# Altium PCB 5600BB3T Dev.Board.PcbDoc (part 1 of 2) (continued)
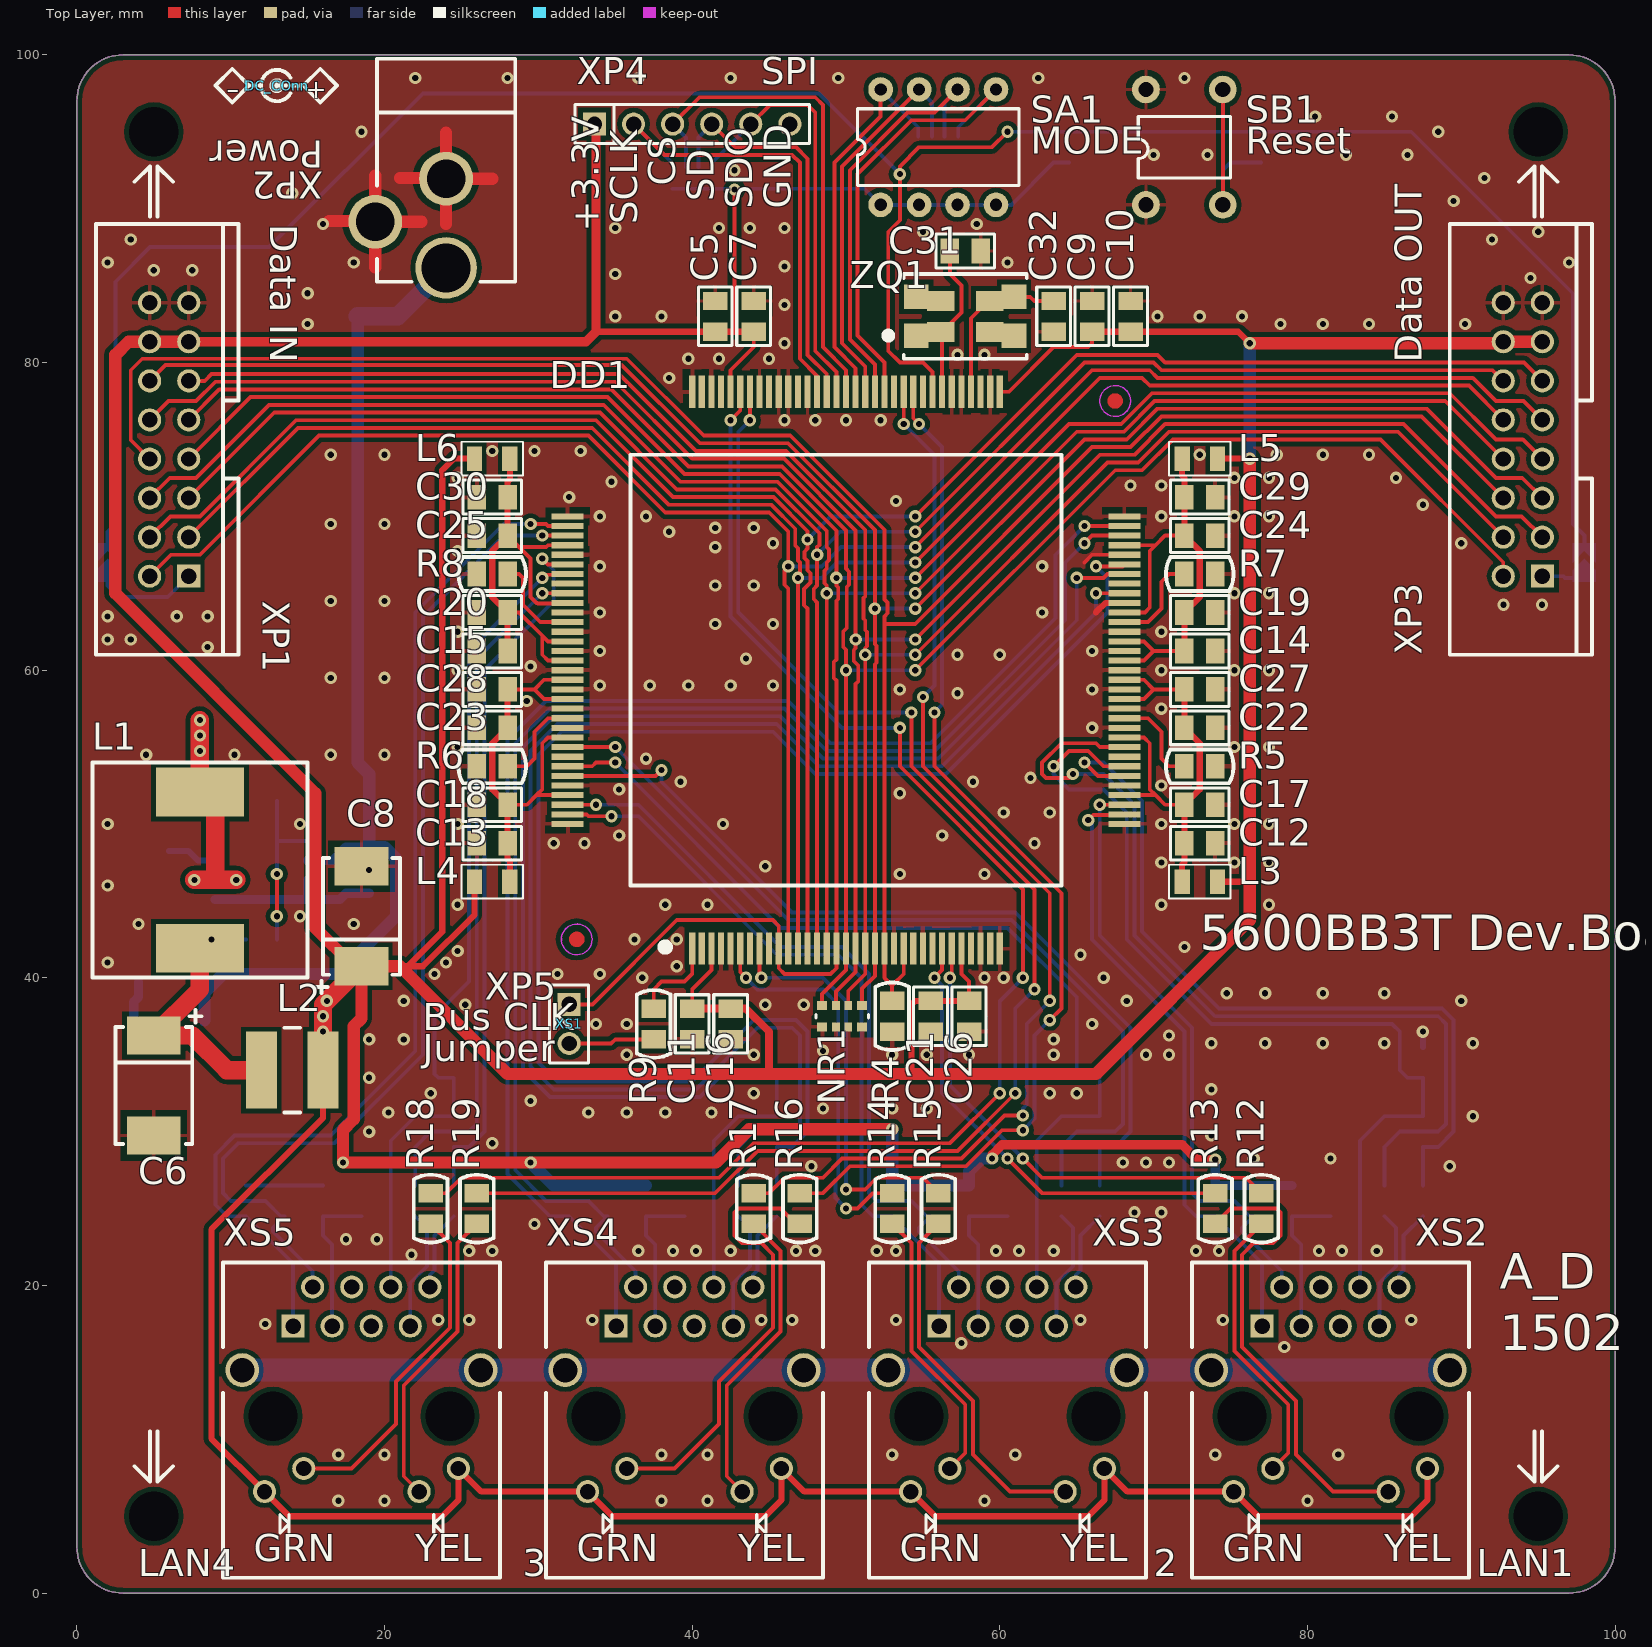
[diagram p0: Top Layer view]
## Components (designator, comment, footprint, x,y, rotation, side; value= is the part's Value field where it differs from the comment) (continued)
R8 "Resistor" R0805 27,66.25 r0 top value=12.4k
R9 "Resistor" R0805 37.5,37 r270 top value=10
R10 "Resistor" R0805 77,94 r90 bottom value=100
R11 "Resistor" R0805 64.5,94 r270 bottom value=47k
R12 "Resistor" R0805 77,25 r270 top value=470
R13 "Resistor" R0805 74,25 r270 top value=470
R14 "Resistor" R0805 53,25 r270 top value=470
R15 "Resistor" R0805 56,25 r270 top value=470
R16 "Resistor" R0805 47,25 r270 top value=470
R17 "Resistor" R0805 44,25 r270 top value=470
R18 "Resistor" R0805 23,25 r270 top value=470
R19 "Resistor" R0805 26,25 r270 top value=470
R20 "Resistor" R0805 85,30 r90 bottom value=82
R21 "Resistor" R0805 64,30 r90 bottom value=82
R22 "Resistor" R0805 43,30 r90 bottom value=82
R23 "Resistor" R0805 22,30 r90 bottom value=82
R24 "Resistor" R0805 87.5,30 r90 bottom value=82
R25 "Resistor" R0805 66.5,30 r90 bottom value=82
R26 "Resistor" R0805 45.5,30 r90 bottom value=82
R27 "Resistor" R0805 24.5,30 r90 bottom value=82
R28 "Resistor" R0805 74,25.5 r90 bottom value=49.9
R29 "Resistor" R0805 53,25.5 r90 bottom value=49.9
R30 "Resistor" R0805 32,25.5 r90 bottom value=49.9
R31 "Resistor" R0805 11,25.5 r90 bottom value=49.9
R32 "Resistor" R0805 76.5,25.5 r90 bottom value=49.9
R33 "Resistor" R0805 55.5,25.5 r90 bottom value=49.9
R34 "Resistor" R0805 34.5,25.5 r90 bottom value=49.9
R35 "Resistor" R0805 13.5,25.5 r90 bottom value=49.9
R36 "Resistor" R0805 79,25.5 r90 bottom value=10
R37 "Resistor" R0805 58,25.5 r90 bottom value=10
R38 "Resistor" R0805 37,25.5 r90 bottom value=10
R39 "Resistor" R0805 16,25.5 r90 bottom value=10
SA1 "MODE" ВДМЗ-4 56,94 r0 top value=ВДМЗ-4
SB1 "Reset" ВКн1 72,94 r0 top value=ВКн1
VD1 "Schottky" DO-214AA 10.25,55.75 r180 bottom value=SS26
XP1 "Data IN" IDC-16MS 6,75 r90 top value=СНП347-16ВП22-В
XP2 "Power" DJK-02-SERIES 23,92 r0 top value=DJK-02A
XP3 "Data OUT" IDC-16MS 94,75 r90 top value=СНП347-16ВП22-В
XP4 "SPI" PLS-6 40,95.5 r0 top value=СНП346-6ВП22-1-В
XP5 "Bus CLK" PLS-2 32,37 r270 top value=СНП346-2ВП22-1-В
XS1 "Jumper" MJ-O-Series 32,37 r270 top value=MJ-O-8
XS2 "LAN1" SK02-111006NL 81.5,11 r0 top value=SK02-111006NL
XS3 "2" SK02-111006NL 60.5,11 r0 top value=SK02-111006NL
XS4 "3" SK02-111006NL 39.5,11 r0 top value=SK02-111006NL
XS5 "LAN4" SK02-111006NL 18.5,11 r0 top value=SK02-111006NL
ZQ1 "Crystal" "SMD 7x5mm" 57.75,83 r0 top value=РК457-8ВП-25000К

## Footprints (in the part's own frame and the unit in brackets; to place one, negate y for a bottom-side part, rotate by r counter-clockwise, add the part's x,y. Pads: shape width x height; smd on the part's side, far side on the other; paste and mask are expansions set on the pad)
4229.132-3 [mm]
  rect 0.4x2.1 smd: 1(-10,-18.1) 2(-9.375,-18.1) 3(-8.75,-18.1) 4(-8.125,-18.1) 5(-7.5,-18.1) 6(-6.875,-18.1) 7(-6.25,-18.1) 8(-5.625,-18.1) 9(-5,-18.1) 10(-4.375,-18.1) 11(-3.75,-18.1) 12(-3.125,-18.1) 13(-2.5,-18.1) 14(-1.875,-18.1) 15(-1.25,-18.1) 16(-0.625,-18.1) 17(0,-18.1) 18(0.625,-18.1) 19(1.25,-18.1) 20(1.875,-18.1) 21(2.5,-18.1) 22(3.125,-18.1) 23(3.75,-18.1) 24(4.375,-18.1) 25(5,-18.1) 26(5.625,-18.1) 27(6.25,-18.1) 28(6.875,-18.1) 29(7.5,-18.1) 30(8.125,-18.1) 31(8.75,-18.1) 32(9.375,-18.1) 33(10,-18.1) 67(10,18.1) 68(9.375,18.1) 69(8.75,18.1) 70(8.125,18.1) 71(7.5,18.1) 72(6.875,18.1) 73(6.25,18.1) 74(5.625,18.1) 75(5,18.1) 76(4.375,18.1) 77(3.75,18.1) 78(3.125,18.1) 79(2.5,18.1) 80(1.875,18.1) 81(1.25,18.1) 82(0.625,18.1) 83(0,18.1) 84(-0.625,18.1) 85(-1.25,18.1) 86(-1.875,18.1) 87(-2.5,18.1) 88(-3.125,18.1) 89(-3.75,18.1) 90(-4.375,18.1) 91(-5,18.1) 92(-5.625,18.1) 93(-6.25,18.1) 94(-6.875,18.1) 95(-7.5,18.1) 96(-8.125,18.1) 97(-8.75,18.1) 98(-9.375,18.1) 99(-10,18.1)
  rect 2.1x0.4 smd: 34(18.1,-10) 35(18.1,-9.375) 36(18.1,-8.75) 37(18.1,-8.125) 38(18.1,-7.5) 39(18.1,-6.875) 40(18.1,-6.25) 41(18.1,-5.625) 42(18.1,-5) 43(18.1,-4.375) 44(18.1,-3.75) 45(18.1,-3.125) 46(18.1,-2.5) 47(18.1,-1.875) 48(18.1,-1.25) 49(18.1,-0.625) 50(18.1,0) 51(18.1,0.625) 52(18.1,1.25) 53(18.1,1.875) 54(18.1,2.5) 55(18.1,3.125) 56(18.1,3.75) 57(18.1,4.375) 58(18.1,5) 59(18.1,5.625) 60(18.1,6.25) 61(18.1,6.875) 62(18.1,7.5) 63(18.1,8.125) 64(18.1,8.75) 65(18.1,9.375) 66(18.1,10) 100(-18.1,10) 101(-18.1,9.375) 102(-18.1,8.75) 103(-18.1,8.125) 104(-18.1,7.5) 105(-18.1,6.875) 106(-18.1,6.25) 107(-18.1,5.625) 108(-18.1,5) 109(-18.1,4.375) 110(-18.1,3.75) 111(-18.1,3.125) 112(-18.1,2.5) 113(-18.1,1.875) 114(-18.1,1.25) 115(-18.1,0.625) 116(-18.1,0) 117(-18.1,-0.625) 118(-18.1,-1.25) 119(-18.1,-1.875) 120(-18.1,-2.5) 121(-18.1,-3.125) 122(-18.1,-3.75) 123(-18.1,-4.375) 124(-18.1,-5) 125(-18.1,-5.625) 126(-18.1,-6.25) 127(-18.1,-6.875) 128(-18.1,-7.5) 129(-18.1,-8.125) 130(-18.1,-8.75) 131(-18.1,-9.375) 132(-18.1,-10)
  Top Layer circle w0.5: c17.5,17.5 r0.25
  Top Layer circle w0.5: c-17.5,-17.5 r0.25
  silkscreen extent -14,-18.25 14,14, body extent -14,-14 14,14, height 1.9
C0805 [mm] "2012M"
  rect 1.2x1.6 smd: 1(-1,0) 2(1,0)
  silkscreen extent -1.9,-1.1 1.9,1.1, body extent -1,-0.62 1,0.63, height 1.01
C7343-P [mm] "Type D"
  rect 2.5x3.5 smd: 1(-3.25,0) 2(3.25,0)
  silkscreen extent -5,-2.5 3.8,3, body extent -3.65,-2.15 3.65,2.15, height 3.1
C7343H-P [mm] "Type E"
  rect 2.5x3.5 smd: 1(-3.25,0) 2(3.25,0)
  silkscreen extent -4.9,-2.5 3.8,3.1, body extent -3.65,-2.15 3.65,2.15, height 3.1
CAY16-x4 [mm]
  rect 0.65x0.6 smd: 1(-1.3,-0.7) 4(1.3,-0.7) 5(1.3,0.7) 8(-1.3,0.7)
  rect 0.5x0.6 smd: 2(-0.4,-0.7) 3(0.4,-0.7) 6(0.4,0.7) 7(-0.4,0.7)
  silkscreen extent -1.7,-0.1 1.7,0.1, body extent -1.6,-0.8 1.6,0.8, height 0.5
CDRH127 [mm]
  rect 5.715x3.175 smd: 1(0,5.08) 2(0,-5.08)
  silkscreen extent -6.98,-6.98 6.98,6.98, body extent -6,-6.17 6,6.17, height 6.23
DJK-02-SERIES [mm]
  round 4 hole 3.2: 1(1,-5.85)
  round 3.5 hole 2.5: 2(1,-0.05) 3(-3.6,-2.85)
  silkscreen extent -3.5,-6.75 5.5,7.75, body extent -3.95,-6.75 5.5,7.75, height 11.5
DO-214AA [mm] "(SMB) Low profile package"
  rect 2.2x2.8 smd: 1(-2.25,0) 2(2.25,0)
  silkscreen extent -3.75,-2 3.75,2, body extent -2.7,-1.8 2.7,1.8, height 2.3
IDC-16MS [mm]
  rect 1.5x1.5 hole 1: 1(-8.89,-1.27)
  round 1.5 hole 1: 2(-8.89,1.27) 3(-6.35,-1.27) 4(-6.35,1.27) 5(-3.81,-1.27) 6(-3.81,1.27) 7(-1.27,-1.27) 8(-1.27,1.27) 9(1.27,-1.27) 10(1.27,1.27) 11(3.81,-1.27) 12(3.81,1.27) 13(6.35,-1.27) 14(6.35,1.27) 15(8.89,-1.27) 16(8.89,1.27)
  silkscreen extent -14,-4.5 14,4.75, body extent -14,-4.2 13.92,4.2, height 9.4
JS-S-2x [mm] "Solder Jumper with square areas"
  round 0.25 smd: 1(-1,0) 2(1,0)
  Top Layer region: -1.25,-0.75 -1.25,0.75 -0.5,0.75 0.25,0 -0.5,-0.75
  Top Layer region: 0,-0.75 0.75,0 0,0.75 1.25,0.75 1.25,-0.75
  silkscreen extent -1.5,-0.5 1.5,0.5
L0805 [mm]
  rect 1x1.6 smd: 1(-1.15,0) 2(1.15,0)
  silkscreen extent -2,-1.1 2,1.1, body extent -0.97,-0.65 1.03,0.65, height 1.2
LG-DC-Connector [mm] "Size 8x4,5mm"
  silkscreen extent -3.92,-1.1 4,1.1
MJ-O-Series [mm]
  body extent -2.54,-1.27 2.54,1.27, height 9.45
PLS-2 [mm]
  rect 1.5x1.5 hole 1: 1(-1.27,0)
  round 1.5 hole 1: 2(1.27,0)
  silkscreen extent -2.54,-1.27 2.54,1.27, body extent -2.54,-1.27 2.54,1.27, height 8.9
PLS-6 [mm]
  rect 1.5x1.5 hole 1: 1(-6.35,0)
  round 1.5 hole 1: 2(-3.81,0) 3(-1.27,0) 4(1.27,0) 5(3.81,0) 6(6.35,0)
  silkscreen extent -7.62,-1.27 7.62,1.27, body extent -7.62,-1.27 7.62,1.27, height 8.9
R0805 [mm] "2012M"
  rect 1.2x1.6 smd: 1(-1,0) 2(1,0)
  silkscreen extent -2.2,-1.1 2.2,1.1, body extent -1,-0.62 1,0.63, height 0.78
R1206 [mm] "3216M"
  rect 1.4x1.8 smd: 1(-1.5,0) 2(1.5,0)
  silkscreen extent -2.8,-1.2 2.8,1.2, body extent -1.6,-0.8 1.6,0.8, height 1
SDR0604-Series [mm]
  rect 2x5 smd: 1(-2,0) 2(2,0)
  silkscreen extent -0.5,-2.75 0.5,2.75, body extent -2.75,-2.8 2.75,2.8, height 4.65
SK02-111006NL [mm] "RJ45"
  round 0 hole 3.2 unplated: 0(-5.75,0.5) 0(5.75,0.5)
  rect 1.5x1.5 hole 1: 1(-4.445,6.36)
  round 1.5 hole 1: 2(-3.175,8.9) 3(-1.905,6.36) 4(-0.635,8.9) 5(0.635,6.36) 6(1.905,8.9) 7(3.175,6.36) 8(4.445,8.9) 9(-6.3,-4.4) 10(-3.75,-2.9) 11(3.75,-4.4) 12(6.3,-2.9)
  round 2.2 hole 1.6: 13(-7.75,3.5) 13(7.75,3.5)
  silkscreen extent -9,-10 9,10.5, body extent -8.13,-10.91 8.13,10.68, height 14.36
"SMD 7x5mm" [mm] "Crystal, SMD; 4 Leads; Body 5 x 7 x 1.2 mm (LxWxH)"
  rect 1.6x1.6 smd: 1(-3.175,-1.27) 2(-3.175,1.27) 3(3.175,1.27) 4(3.175,-1.27)
  silkscreen extent -5.2,-2.75 4,2.75, body extent -3.75,-2.6 3.75,2.6, height 1.4
SO8 [mm] "4320.8-А Small Outline; 8 Leads; Body Width 3.9 mm; Pitch 1.27 mm"
  rect 0.6x1.6 smd: 1(-1.905,-3) 2(-0.635,-3) 3(0.635,-3) 4(1.905,-3) 5(1.905,3) 6(0.635,3) 7(-0.635,3) 8(-1.905,3)
  silkscreen extent -2.88,-2.72 2.5,1.9, body extent -2.54,-2.92 2.46,3.09, height 1.75
SOT-223 [mm]
  rect 1x1.5 smd: 1(-2.3,-3.25) 2(0,-3.25) 3(2.3,-3.25)
  rect 3.3x1.5 smd: 2(0,3.05)
  silkscreen extent -3.25,-1.75 3.25,1.75, body extent -3.25,-3.53 3.25,3.43, height 1.65
ВДМЗ-4 [mm]
  round 1.6 hole 0.8: 1(-3.75,-3.75) 2(-1.25,-3.75) 3(1.25,-3.75) 4(3.75,-3.75) 5(3.75,3.75) 6(1.25,3.75) 7(-1.25,3.75) 8(-3.75,3.75)
  silkscreen extent -5.25,-2.5 5.25,2.5, body extent -5.3,-3.93 5.3,3.94, height 4.9
ВКн1 [mm] "1 contact"
  round 1.8 hole 1: 1(-2.5,-3.75) 1(-2.5,3.75) 2(2.5,-3.75) 2(2.5,3.75)
  silkscreen extent -3,-2 3,2, body extent -3,-3.75 3,3.75, height 6.5

## Part data
C1: library part "К53-65 ”E”-20В-100мкФ±20%", Leakage Current=20uA, Manufacturer="ОАО \"Элеконд\"", Tolerance=±20%, Voltage=20V, Working Temperature=-60°С...+125°С, ESL=0.9ohm, ESR=0.88ohm, ID=30, Part Number="К53-65 ”E”-20В-100мкФ±20%", Published=23.04.2010, Publisher=A_D, Specification="АЖЯР.673546.004 ТУ", Type=Конденсатор
C2 C3 C5 C9 C11 C12 C13 C14 C15 C21 C22 C23 C24 C25 C33: library part К10-69в-Н90-25в-2012М-0,1мкф, Dielectric Type=Н90, Manufacturer="ОАО \"НИИ \"Гириконд\"", Tolerance=+80/-20%, Voltage=25V, ID=3, Part Number=К10-69в-Н90-25в-2012М-0,1мкф, Published=18.05.2010, Publisher=A_D, Specification="АЖЯР.673511.002 ТУ", Type=Конденсатор
C4: library part К10-69в-Н30-50в-2012М-220пФ±20%, Dielectric Type=Н30, Manufacturer="ОАО \"НИИ \"Гириконд\"", Tolerance=±20%, Voltage=50V, ID=19, Part Number=К10-69в-Н30-50в-2012М-220пФ±20%, Published=18.05.2010, Publisher=A_D, Specification="АЖЯР.673511.002 ТУ", Type=Конденсатор
C6: library part "К53-65 ”E”-6,3В-470мкФ±20%", Leakage Current=28.2uA, Manufacturer="ОАО \"Элеконд\"", Tolerance=±20%, Voltage=6.3V, Working Temperature=-60°С...+125°С, ESL=0.9ohm, ESR=0.78ohm, ID=31, Part Number="К53-65 ”E”-6,3В-470мкФ±20%", Published=23.04.2010, Publisher=A_D, Specification="АЖЯР.673546.004 ТУ", Type=Конденсатор
C7 C10 C16 C17 C18 C19 C20 C26 C27 C28 C29 C30: library part К10-69в-МП0-50в-2012М-100пФ±5%, Dielectric Type=МП0, Manufacturer="ОАО \"НИИ \"Гириконд\"", Tolerance=±5%, Voltage=50V, ID=2, Part Number=К10-69в-МП0-50в-2012М-100пФ±5%, Published=18.05.2010, Publisher=A_D, Specification="АЖЯР.673511.002 ТУ", Type=Конденсатор
C8: library part "К53-65 ”D”-6,3В-68мкФ±20%", Leakage Current=4.1uA, Manufacturer="ОАО \"Элеконд\"", Tolerance=±20%, Voltage=6.3V, Working Temperature=-60°С...+125°С, ESL=0.9ohm, ESR=0.88ohm, ID=3, Part Number="К53-65 ”D”-6,3В-68мкФ±20%", Published=23.04.2010, Publisher=A_D, Specification="АЖЯР.673546.004 ТУ", Type=Конденсатор
C31 C32: library part К10-69в-МП0-50в-2012М-15пФ±5%, Dielectric Type=МП0, Manufacturer="ОАО \"НИИ \"Гириконд\"", Tolerance=±5%, Voltage=50V, ID=17, Part Number=К10-69в-МП0-50в-2012М-15пФ±5%, Published=18.05.2010, Publisher=A_D, Specification="АЖЯР.673511.002 ТУ", Type=Конденсатор
C34 C35 C36 C37: library part К10-69в-Н30-50в-2012М-0,01мкф, Dielectric Type=Н30, Manufacturer="ОАО \"НИИ \"Гириконд\"", Tolerance=±20%, Voltage=50V, ID=22, Part Number=К10-69в-Н30-50в-2012М-0,01мкф, Published=18.05.2010, Publisher=A_D, Specification="АЖЯР.673511.002 ТУ", Type=Конденсатор
C38 C39 C40 C41: library part К10-69в-Н90-25в-2012М-0,022мкф, Dielectric Type=Н90, Manufacturer="ОАО \"НИИ \"Гириконд\"", Tolerance=+80/-20%, Voltage=25V, ID=15, Part Number=К10-69в-Н90-25в-2012М-0,022мкф, Published=18.05.2010, Publisher=A_D, Specification="АЖЯР.673511.002 ТУ", Type=Конденсатор
C42 C43 C44 C45 C46 C47 C48 C49: library part К10-69в-Н30-50в-2012М-6800пФ±20%, Dielectric Type=Н30, Manufacturer="ОАО \"НИИ \"Гириконд\"", Tolerance=±20%, Voltage=50V, ID=16, Part Number=К10-69в-Н30-50в-2012М-6800пФ±20%, Published=18.05.2010, Publisher=A_D, Specification="АЖЯР.673511.002 ТУ", Type=Конденсатор
DA1: library part LM1117MPX-3.3, Input Voltage=+8.5…20V, Output Current=800mA, Output Voltage=+3.3V, ID=9, Part Number=LM1117MPX-3.3, Published=13.08.2015, Publisher=A_D, Type=Микросхема
DA2: library part К1156ЕУ5ВТ, Frequency=<100kHz, Input Voltage=+3…40V, Output Current=1.5A, Output Voltage=+1.25...37V, Total Power Dissipation=1.25W, Efficiency=>84%, ID=2, Part Number=К1156ЕУ5ВТ, Published=23.07.2014, Publisher=A_D, Shutdown Input=-, Type=Микросхема
DD1: Manufacturer="ЗАО \"ПКК Миландр\"", Supply Current=<190mA, Working Temperature=-60°С...+85°С, Application Category="1 / 5", Ethernet Speed=10BASE-T, Functional Analog=-, ID=2, Interface="Parallel 16bit", Part Number=5600ВВ3Т, Published=16.06.2014, Publisher=A_D, Specification="АЕНВ.431290.084 ТУ", SRAM=8Kb, Supply Operation=+4.5…5.5V, Type=Микросхема
JP1 JP2: library part "Перемычка (SMT)", ID=13, Part Number="Перемычка (SMT)", Published=24.06.2014, Publisher=A_D, Type=Перемычка
L1: library part CDRH127NP-101M, DC Resistance=0.22ohm, Inductance=100uH, Rated Current=1.7A, Tolerance=±20%, ID=21, Part Number=CDRH127NP-101M, Published=20.05.2010, Publisher=A_D, Type=Дроссель
L2: library part SDR0604-4R7ML, DC Resistance=0.08ohm, Inductance=4.7uH, Manufacturer=Bourns, Rated Current=3A, Self-Resonant Frequency=34MHz, Tolerance=±20%, ID=63, Part Number=SDR0604-4R7ML, Published=20.05.2010, Publisher=A_D, Q=20, Type=Дроссель
L3 L4 L5 L6: library part BLM21PG331SN1, Inductor Type=EMIFIL, Manufacturer=Murata, Rated Current=1.5A, Working Temperature=-55°С...+125°С, ID=2, Impedance at 100Mhz=0.07ohm, Part Number=BLM21PG331SN1, Published=14.11.2014, Publisher=A_D, Type=Дроссель
NR1 NR2 NR3: library part "НР1-3Р-10кОм ±5%", Limit Voltage=50V, Tolerance=±5%, Total Power Dissipation=0,062W, ID=59, Part Number="НР1-3Р-10кОм ±5%", Published=15.07.2014, Publisher=A_D, Specification="ШКАБ.434110.018 ТУ", Type="Набор резисторов"
R1: library part "Р1-12-0,125-5,1 кОм±5%-М", Limit Voltage=150V, Tolerance=±5%, Total Power Dissipation=0,125W, ID=72, Part Number="Р1-12-0,125-5,1 кОм±5%-М", Published=24.03.2010, Publisher=A_D, Specification="ШКАБ.434110.002 ТУ", Type=Резистор
R2: library part "Р1-12-0,25-0,33 Ом±5%-М", Limit Voltage=200V, Tolerance=±5%, Total Power Dissipation=0,25W, ID=73, Part Number="Р1-12-0,25-0,33 Ом±5%-М", Published=24.03.2010, Publisher=A_D, Specification="ШКАБ.434110.002 ТУ", Type=Резистор
R3: library part "Р1-12-0,125-10 кОм±5%-М", Limit Voltage=150V, Tolerance=±5%, Total Power Dissipation=0,125W, ID=4, Part Number="Р1-12-0,125-10 кОм±5%-М", Published=24.03.2010, Publisher=A_D, Specification="ШКАБ.434110.002 ТУ", Type=Резистор
R4 R11: library part "Р1-12-0,125-47 кОм±5%-М", Limit Voltage=150V, Tolerance=±5%, Total Power Dissipation=0,125W, ID=38, Part Number="Р1-12-0,125-47 кОм±5%-М", Published=24.03.2010, Publisher=A_D, Specification="ШКАБ.434110.002 ТУ", Type=Резистор
R5 R6 R7 R8: library part "Р1-12-0,125-12,4 кОм±1%-М", Limit Voltage=150V, Tolerance=±1%, Total Power Dissipation=0,125W, ID=55, Part Number="Р1-12-0,125-12,4 кОм±1%-М", Published=24.03.2010, Publisher=A_D, Specification="ШКАБ.434110.002 ТУ", Type=Резистор
R9 R36 R37 R38 R39: library part "Р1-12-0,125-10 Ом±5%-М", Limit Voltage=150V, Tolerance=±5%, Total Power Dissipation=0,125W, ID=53, Part Number="Р1-12-0,125-10 Ом±5%-М", Published=24.03.2010, Publisher=A_D, Specification="ШКАБ.434110.002 ТУ", Type=Резистор
R10: library part "Р1-12-0,125-100 Ом±5%-М", Limit Voltage=150V, Tolerance=±5%, Total Power Dissipation=0,125W, ID=3, Part Number="Р1-12-0,125-100 Ом±5%-М", Published=24.03.2010, Publisher=A_D, Specification="ШКАБ.434110.002 ТУ", Type=Резистор
R12 R13 R14 R15 R16 R17 R18 R19: library part "Р1-12-0,125-470 Ом±5%-М", Limit Voltage=150V, Tolerance=±5%, Total Power Dissipation=0,125W, ID=7, Part Number="Р1-12-0,125-470 Ом±5%-М", Published=24.03.2010, Publisher=A_D, Specification="ШКАБ.434110.002 ТУ", Type=Резистор
R20 R21 R22 R23 R24 R25 R26 R27: library part "Р1-12-0,125-82 Ом±5%-М", Limit Voltage=150V, Tolerance=±5%, Total Power Dissipation=0,125W, ID=54, Part Number="Р1-12-0,125-82 Ом±5%-М", Published=24.03.2010, Publisher=A_D, Specification="ШКАБ.434110.002 ТУ", Type=Резистор
R28 R29 R30 R31 R32 R33 R34 R35: library part "Р1-12-0,125-49,9 Ом±1%-М", Limit Voltage=150V, Tolerance=±1%, Total Power Dissipation=0,125W, ID=42, Part Number="Р1-12-0,125-49,9 Ом±1%-М", Published=24.03.2010, Publisher=A_D, Specification="ШКАБ.434110.002 ТУ", Type=Резистор
SA1: library part ВДМЗ-4, Limit Current=250mA, Limit Voltage=36V, Backlight=NO, ID=8, Number of Contacts=8, Number of Switches=4, Part Number=ВДМЗ-4, Published=09.06.2014, Publisher=A_D, Specification="АГ0.360.045 ТУ", Type="Набор переключателей"
SB1: library part ВКн1, Isolator Resistance=100meg, Limit Current=50mA, Limit Voltage=15V, Resistance=0.1ohm, Backlight=NO, Height=5.2mm, ID=9, Number of Contacts=4, Part Number=ВКн1, Published=17.04.2014, Publisher=A_D, Specification="АСЖР.642130.003 ТУ", Type="Переключатель кнопочный"
VD1: library part SS26, Forward Current=2A, Forward Voltage=0.7V, Reverse Current=0.4mA, Reverse Voltage=60V, Application Category=1, ID=6, Part Number=SS26, Published=18.05.2010, Publisher=A_D, Type=Диод
XP1 XP3: library part СНП347-16ВП22-В, Limit Current=1A, Limit Voltage=250V, Resistance=50momh, Connector Type=Male, ID=18, Part Number=СНП347-16ВП22-В, Pins=16, Pitch=1.27mm, Published=07.03.2013, Publisher=A_D, Specification="РЮМК.430420.012 ТУ", Surface Finish=Silver, Type=Вилка
XP2: library part DJK-02A, Limit Current=2A, Limit Voltage=250V, Resistance=20momh, Connector Type=Male, ID=35, Part Number=DJK-02A, Pins=3, Published=07.03.2013, Publisher=A_D, Surface Finish=Bronze, Type=Вилка
XP4: library part СНП346-6ВП22-1-В, Limit Current=1A, Limit Voltage=250V, Resistance=15mohm, Connector Type=Male, ID=6, Part Number=СНП346-6ВП22-1-В, Pins=6, Pitch=2.54mm, Published=07.03.2013, Publisher=A_D, Specification="РЮМК.430420.011 ТУ", Surface Finish=Silver, Type=Вилка
XP5: library part СНП346-2ВП22-1-В, Limit Current=1A, Limit Voltage=250V, Resistance=15mohm, Connector Type=Male, ID=2, Part Number=СНП346-2ВП22-1-В, Pins=2, Pitch=2.54mm, Published=07.03.2013, Publisher=A_D, Specification="РЮМК.430420.011 ТУ", Surface Finish=Silver, Type=Вилка
XS1: library part MJ-O-8, Limit Voltage=650V, Rated Current=3A, Resistance=0.3ohm, Application Type=Jumper, ID=21, Part Number=MJ-O-8, Published=04.09.2014, Publisher=A_D, Type=Розетка
XS2 XS3 XS4 XS5: library part SK02-111006NL, Limit Current=1.5A, Limit Voltage=125V, Manufacturer="Sanken Electric Co., Ltd.", Connector Type=Female, ID=18, Interface=Ethernet/Int.Trans., Max Data Rate=10/100Mb, Mount Type="Through hole", Part Number=SK02-111006NL, Pins=12, Published=08.09.2014, Publisher=A_D, Type=Розетка
ZQ1: library part РК457-8ВП-25000К-16пФ, Load Capacitance=15pF, Manufacturer=Пьезотрон, Output Frequency=25MHz, Working Temperature=-40°С...+70°С, ID=10, Part Number=РК457-8ВП-25000К-16пФ, Published=08.03.2013, Publisher=A_D, Specification="КЖБД.433514.019 ТУ", Type=Резонатор

## Free pads (board coordinates)
  oct 0x0 hole 3.2 unplated: 0(5,5) 0(5,95) 0(95,5) 0(95,95)
  rect 1.8x1.3 smd: 1(56.15,82) 2(59.35,82) 3(59.35,84) 4(56.15,84)

## Via types
v1: diameter 0.8, hole 0.4, Top Layer to Bottom Layer, tented both sides, 391 vias

## Nets (pads, with @x,y where several pads share a name; then routed paths per layer and width w, separated by ;. In a path a pad name is that pad's centre, name@x,y a point inside that pad or via, vN(x,y) a via of type N, cw(c..) or ccw(c..) an arc to the next point about the centre after c; other vN are vias at no path point)
+3.3B: C2.2 C5.2 C7.2 C8.1 C9.2 C10.2 C11.2 C16.2 C21.2 C26.2 DA1.2 DD1.3 DD1.29 DD1.67 DD1.95 L2.2 L3.1 L4.1 L5.1 L6.1 NR2.5 NR2.6 NR2.7 NR2.8 R11.2 R28.2 R29.2 R30.2 R31.2 R32.2 R33.2 R34.2 R35.2 R36.2 R37.2 R38.2 R39.2 SA1.1 SA1.2 SA1.3 SA1.4 XP1.13 XP1.14 XP3.13 XP3.14 XP4.1 XS2.9 XS2.12 XS3.9 XS3.12 XS4.9 XS4.12 XS5.9 XS5.12 | length 582
  Top Layer w0.25: C11.2@40,38 40,39.25 41.25,40.5 DD1.3@41.25,41.9 ; DD1.95@42.5,78.1 42.5,79.5 44,81 C7.2@44,82 ; 42.75,82 v1(42.75,91.25) ; DD1.29@57.5,41.9 57.5,40.25 58,39.75 C26.2@58,38.5 ; DD1.67@60,78.1 60.6,78.1 63.5,81 65.75,81 66,81.25 C9.2@66,82
  Top Layer w0.4: L2.2@16,34 16,30.892 8.75,23.642 8.75,10.05 XS5.9@12.2,6.6 13.8,5 23.75,5 24.8,6.05 XS5.12@24.8,8.1 26.3,6.6 XS4.9@33.2,6.6 34.8,5 44.75,5 45.8,6.05 XS4.12@45.8,8.1 47.3,6.6 XS3.9@54.2,6.6 55.8,5 65.75,5 66.8,6.05 XS3.12@66.8,8.1 68.3,6.6 XS2.9@75.2,6.6 76.8,5 86.75,5 87.8,6.05 XS2.12@87.8,8.1 ; 21,40.75 21.5,40.75 ; L4.1@25.85,46.25 25.85,44.1 22.5,40.75 21.5,40.75 ; L6.1@25.85,73.75 24.5,73.75 23.75,73 23.75,43 21.5,40.75 ; 33.75,82 C5.2@41.5,82 42.75,82 C7.2@44,82 ; 54.25,33.75 54.25,38.25 54.5,38.5 C21.2@55.5,38.5 C26.2@58,38.5 ; C9.2@66,82 C10.2@68.5,82 75.5,82 v1(76.25,81.25) ; L3.1@74.15,46.25 76.25,46.25 ; L5.1@74.15,73.75 v1(76.25,73.75)
  Top Layer w0.5: C11.2@40,38 C16.2@42.5,38 43.5,38 45,36.5 45,33.75
  Top Layer w0.6: XP1.13@7.27,81.35 33.1,81.35 33.75,82 33.75,95.4 XP4.1@33.65,95.5 ; v1(59.5,28.25) 59.5,28.5 60.147,29.147 71.853,29.147 72.808,28.192 v1(74,28.192)
  Top Layer w0.8: XP1.13@7.27,81.35 XP1.14@4.73,81.35 3.35,81.35 2.5,80.5 2.5,65 15.5,52 15.5,43.25 C8.1@18,40.75 ; v1(53,30.147) 43.691,30.147 41.544,28 v1(29.5,28) v1(17.3,28) 17.3,30.109 18,30.809 18,36.861 18.5,37.361 C8.1@18.5,40.75 21,40.75 28,33.75 45,33.75 54.25,33.75 66.25,33.75 76.25,43.75 76.25,46.25 v1(76.25,73.75) ; v1(76.25,81.25) 92.25,81.25 92.35,81.35 XP3.14@92.73,81.35 XP3.13@95.27,81.35
  Top Layer w1.2: L2.2@16,34 v1(16,36.5) v1(16,37.5) 16,38.25 v1(16.25,38.5) C8.1@18.5,40.75
  Bottom Layer w0.25: R31.2@11,26.5 R35.2@13.5,26.5 R39.2@16,26.5 ; NR2.8@38.7,91.3 NR2.7@39.6,91.3 NR2.6@40.4,91.3 NR2.5@41.3,91.3 51.2,91.3 SA1.1@52.25,90.25 SA1.2@54.75,90.25 SA1.3@57.25,90.25 SA1.4@59.75,90.25 60.75,90.25 63.5,93 R11.2@64.5,93
  Bottom Layer w0.6: v1(74,28.192) R28.2@74,26.5 R32.2@76.5,26.5 R36.2@79,26.5
  Bottom Layer w0.8: v1(29.5,28) 31,26.5 R30.2@32,26.5 R34.2@34.5,26.5 R38.2@37,26.5 ; v1(53,30.147) R29.2@53,26.5 R33.2@55.5,26.5 R37.2@58,26.5 58,27.429 58.821,28.25 v1(59.5,28.25) ; v1(76.25,73.75) v1(76.25,81.25)
DATA_CLK: DD1.10 DD1.16 XP1.7 XP3.7 XP5.1 | length 151.9
  Top Layer w0.25: XP1.7@7.27,73.73 11.29,77.75 34.5,77.75 39.5,72.75 45.693,72.75 49.375,69.068 v1(49.375,66) 49.375,65.5 49.5,65.375 49.5,64.625 49.375,64.5 49.375,60.7 49.2,60.525 49.2,59.5 49.375,59.325 DD1.16@49.375,41.9 49.375,40.625 49,40.25 46,40.25 45.625,40.625 DD1.10@45.625,41.9 45.625,43.375 45.25,43.75 39,43.75 33.52,38.27 XP5.1@32,38.27 ; v1@54.5,65.75 v1@54.625,65.875 ; v1(54.5,66) 64.5,76 67.89,76 69.89,78 89.25,78 92.25,75 94,75 XP3.7@95.27,73.73
  Bottom Layer w0.25: v1@49.25,66 v1(54.5,66)
DATA_RX0: DD1.17 NR1.8 XP1.9 XP3.2 | length 132.3
  Top Layer w0.25: XP1.9@7.27,76.27 9.25,78.25 34.75,78.25 39.75,73.25 45.83,73.25 50,69.08 50,66.6 50.2,66.4 50.2,65.55 50.05,65.4 50.05,62.75 49.825,62.525 49.825,61.5 50,61.325 v1(50,60) DD1.17@50,41.9 50,40.5 48.45,38.95 NR1.8@48.45,38.2 ; v1(54.5,60) 67.5,73 69.25,73 71.25,75 84.75,75 92.73,67.02 XP3.2@92.73,66.11
  Bottom Layer w0.25: v1(50,60) v1(54.5,60)
DATA_RX1: DD1.18 NR1.7 XP1.10 XP3.3 | length 136.2
  Top Layer w0.25: XP1.10@4.73,76.27 5.96,77.5 7.75,77.5 9,78.75 35,78.75 40,73.75 45.966,73.75 50.625,69.091 v1(50.625,62) 50.625,61.425 50.5,61.3 50.5,60.6 50.8,60.3 50.8,59.275 50.625,59.1 DD1.18@50.625,41.9 50.625,40.375 49.35,39.1 NR1.7@49.35,38.2 ; v1(54.5,62) 66.5,74 68.75,74 70.75,76 86.25,76 92.25,70 93.92,70 XP3.3@95.27,68.65
  Bottom Layer w0.25: v1@50.5,62 v1(50.625,62) v1(54.5,62)
DATA_RX2: DD1.19 NR1.6 XP1.11 XP3.4 | length 130.2
  Top Layer w0.25: XP1.11@7.27,78.81 8.31,78.81 8.75,79.25 35.25,79.25 40.25,74.25 46.103,74.25 51.25,69.103 51.25,64.8 51.137,64.688 51.137,63.362 51.25,63.25 51.25,62.6 51.363,62.487 51.363,61.563 51.25,61.45 v1(51.25,61) DD1.19@51.25,41.9 51.25,40.25 50.15,39.15 NR1.6@50.15,38.2 ; v1(54.5,61) 67,73.5 69,73.5 71,75.5 85.88,75.5 XP3.4@92.73,68.65
  Bottom Layer w0.25: v1(51.25,61) v1(54.5,61)
DATA_RX3: DD1.20 NR1.5 XP1.12 XP3.5 | length 134.7
  Top Layer w0.25: XP1.12@4.73,78.81 5.755,79.835 35.415,79.835 40.5,74.75 46.239,74.75 51.875,69.114 v1(51.875,64) 51.875,61.7 51.988,61.587 51.988,60.488 51.875,60.375 DD1.20@51.875,41.9 51.875,40.125 51.05,39.3 NR1.5@51.05,38.2 ; v1(54.5,64) 65.5,75 68.25,75 70.25,77 87.75,77 92.25,72.5 93.96,72.5 XP3.5@95.27,71.19
  Bottom Layer w0.25: v1@51.75,64 v1(54.5,64)
DATA_RXEN: DD1.21 DD1.23 R4.2 XP1.8 XP3.6 | length 141.9
  Top Layer w0.25: XP1.8@4.73,73.73 3.5,74.96 3.5,79.5 4.25,80.25 35.75,80.25 40.75,75.25 46.375,75.25 52.5,69.125 52.5,64.6 52.7,64.4 52.7,63.7 52.5,63.5 52.5,63 ; R4.2@53,38.5 53,39.5 ; DD1.23@53.75,41.9 53.75,40.25 53,39.5 ; XP3.6@92.73,71.19 87.42,76.5 70.5,76.5 68.5,74.5 66,74.5 54.5,63 52.5,63 ; 52.5,63 DD1.21@52.5,41.9 52.5,40 53,39.5
DATA_TX0: DD1.11 XP1.2 XP3.9 | length 130.8
  Top Layer w0.25: XP1.2@4.73,66.11 6.12,67.5 8,67.5 15.75,75.25 33.25,75.25 38.25,70.25 45.011,70.25 46.25,69.011 v1(46.25,66.75) 46,66.5 46,65.55 46.25,65.3 DD1.11@46.25,41.9 ; v1(54.5,68) 66,79.5 69.75,79.5 70.25,79 90.75,79 92.25,77.5 94.04,77.5 XP3.9@95.27,76.27
  Bottom Layer w0.25: v1(46.25,66.75) 48.427,66.75 49.082,67.405 49.089,67.405 49.684,68 v1(54.5,68)
DATA_TX1: DD1.12 XP1.3 XP3.10 | length 125.1
  Top Layer w0.25: XP1.3@7.27,68.65 14.37,75.75 33.5,75.75 38.5,70.75 45.148,70.75 46.7,69.198 46.7,68.1 46.875,67.925 46.875,67.125 47,67 47,66.125 v1(46.875,66) DD1.12@46.875,41.9 ; v1(54.5,67) 66.5,79 69.25,79 69.75,78.5 90.5,78.5 XP3.10@92.73,76.27
  Bottom Layer w0.25: v1@46.75,66 v1(46.875,66) 48.42,66 49.42,67 v1(54.5,67)
DATA_TX2: DD1.13 XP1.4 XP3.11 | length 130
  Top Layer w0.25: XP1.4@4.73,68.65 6.08,70 8,70 14.25,76.25 33.75,76.25 38.75,71.25 45.284,71.25 47.5,69.034 v1(47.5,68.5) 47.5,67.9 47.3,67.7 47.3,67.3 47.5,67.1 47.5,66.5 47.7,66.3 47.7,65.7 47.28,65.28 47.28,64.22 47.5,64 DD1.13@47.5,41.9 ; v1(54.5,70) 65,80.5 70.25,80.5 70.75,80 94.08,80 XP3.11@95.27,78.81
  Bottom Layer w0.25: v1(47.5,68.5) 49,70 v1(54.5,70)